# Altium PCB AIR_MOUNT23.PcbDoc (part 2 of 4)
Units mm, origin at the board's own origin, x right, y up, seen from the top; angles counter-clockwise.
Board outline 149.5 x 178 mm, 4 copper layers (Top Layer, Layer 1, Layer 2, Bottom Layer), stack 1.741 mm thick; 443 components, 337 nets, 1578 pads, 464 vias.
Unrouted connection lines stored in the file: 63.
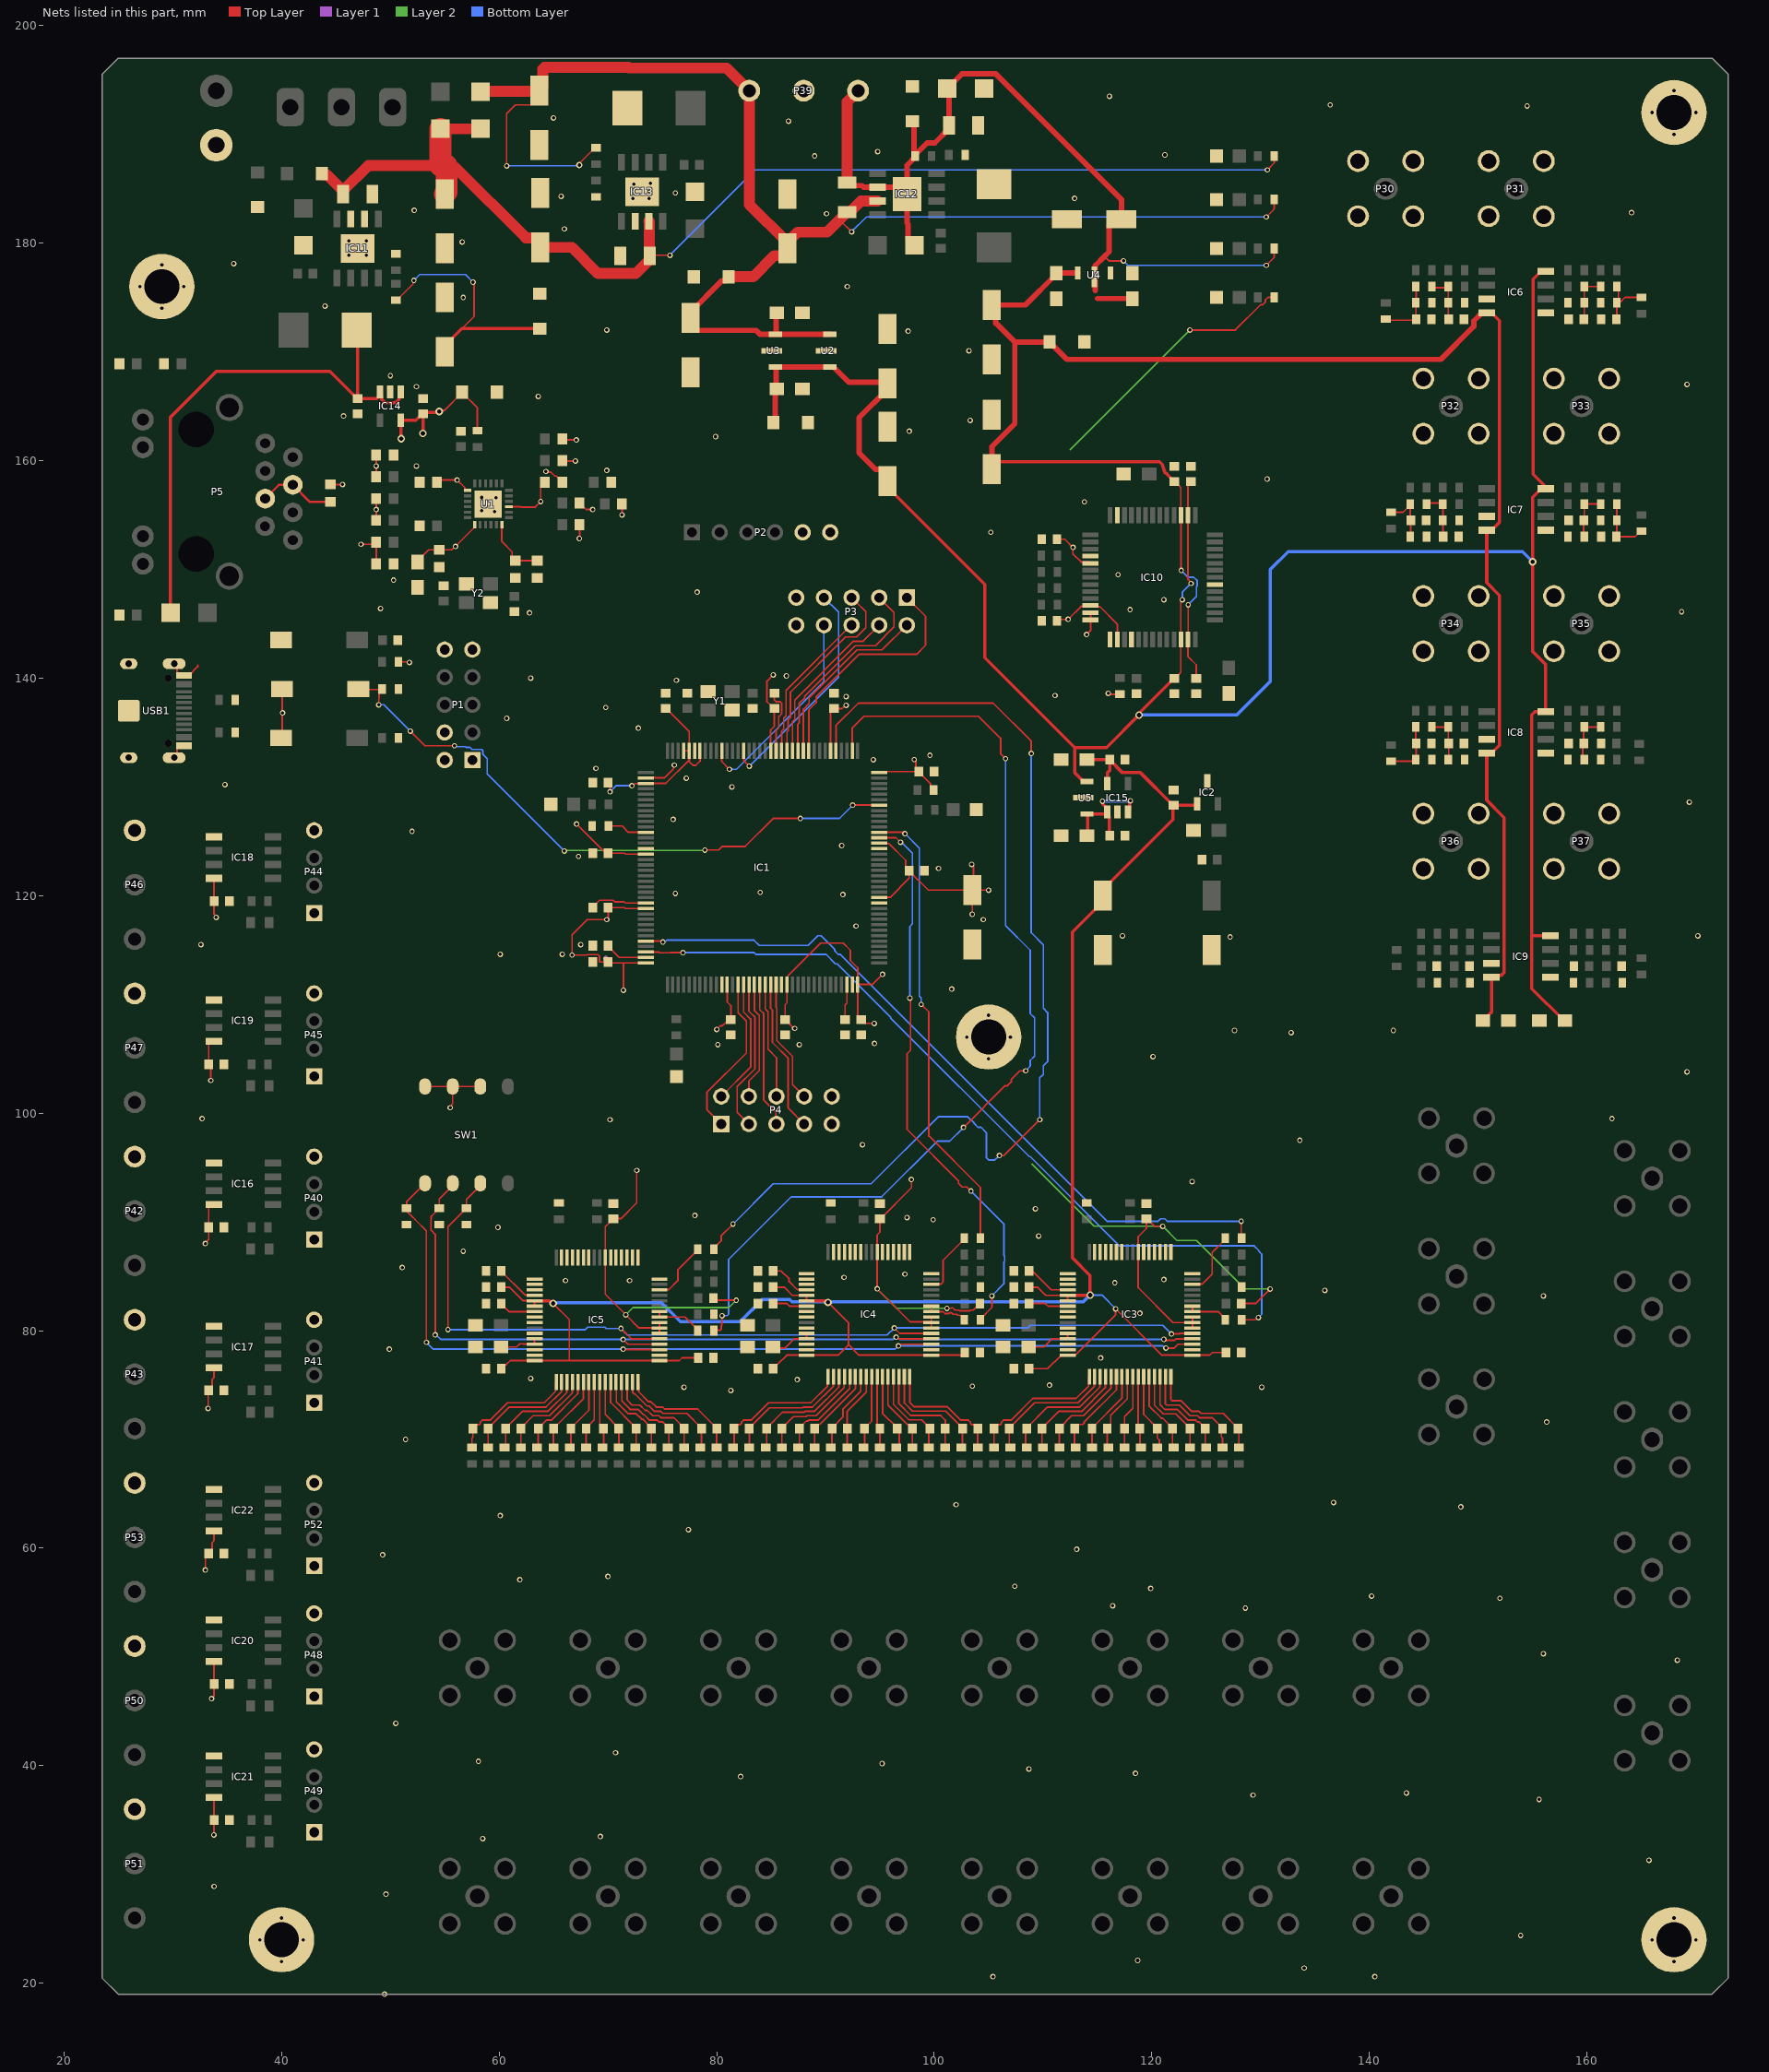
[diagram p4: the nets of this part, all layers, seen from the top]

## Via types
v1: diameter 0.5, hole 0.3, Top Layer to Bottom Layer, tented both sides, 452 vias
v2: diameter 0.7, hole 0.4, Top Layer to Bottom Layer, 8 vias
v3: diameter 0.6, hole 0.3, Top Layer to Bottom Layer, tented both sides, 2 vias
v4: diameter 0.66, hole 0.33, Top Layer to Bottom Layer, 2 vias

## Nets (pads, with @x,y where several pads share a name; then routed paths per layer and width w, separated by ;. In a path a pad name is that pad's centre, name@x,y a point inside that pad or via, vN(x,y) a via of type N, cw(c..) or ccw(c..) an arc to the next point about the centre after c; other vN are vias at no path point)
3V3: C1.2 C2.2 C3.2 C4.2 C5.2 C6.2 C7.2 C8.2 C9.2 C15.2 C17.2 C18.2 C19.2 C20.1 C22.2 C23.2 C47.2 C48.1 C66.2 C67.1 C80.1 C85.2 C86.1 C107.2 C108.2 C122.2 C123.2 C127.2 C133.2 C152.2 C153.2 C154.2 C155.2 C156.2 C157.2 C158.2 IC1.6 IC1.17 IC1.30 IC1.32 IC1.33 IC1.39 IC1.52 IC1.62 IC1.72 IC1.84 IC1.95 IC1.108 IC1.121 IC1.131 IC1.144 IC3.6 IC3.7 IC3.8 IC3.23 IC4.6 IC4.7 IC4.8 IC4.23 IC5.6 IC5.7 IC5.8 IC5.23 IC10.2 IC10.44 IC10.50 IC14.5 IC16.8 IC17.8 IC18.8 IC19.8 IC20.8 IC21.8 IC22.8 P1.1 P1.2 P2.6 P3.9 P4.9 P5.4 P5.5 P40.1 P41.1 P44.1 P45.1 P48.1 P49.1 P52.1 R2.2 R10.2 R30.2 R31.2 R32.1 R33.1 R34.1 R35.2 R36.2 R42.2 R43.1 R48.2 R162.2 R170.2 S1.1 S2.2 SW1.6 SW1.7 SW1.8 U1.1 U1.9 U1.19 Z2.1 | length 352.8
  Top Layer w0.15: v1(33,58) 33,59.2 C158.2@33.3,59.5 33.625,59.825 33.625,60.529 33.788,60.691 IC22.8@33.788,61.595 ; v1(33,88) 33,88.072 33.3,88.372 C152.2@33.3,89.5 33.3,91.345 33.55,91.595 IC16.8@33.788,91.595 ; v1(33.253,72.851) 33.253,74.453 C153.2@33.3,74.5 33.625,74.825 33.625,75.528 33.788,75.692 IC17.8@33.788,76.595 ; C155.2@33.3,104.5 C155.2@33.3,104.65 ; v1(33.5,103) 33.5,104.45 C155.2@33.3,104.65 ; v1(33.575,46.166) 33.8,46.39 C156.2@33.8,47.5 33.8,49.583 IC20.8@33.788,49.595 ; v1(33.784,33.641) 33.784,34.984 C157.2@33.8,35 33.8,37.083 IC21.8@33.788,37.095 ; IC19.8@33.788,106.595 33.55,106.595 33.3,106.345 C155.2@33.3,104.65 ; IC18.8@33.788,121.595 33.788,119.512 C154.2@33.8,119.5 33.8,118.295 34,118.095 v1(34,118) ; S1.1@39.944,134.5 40.056,134.612 S2.2@40.056,139 ; v1(47.3,152.3) 48.5,152.3 R35.2@48.7,152.5 C15.2@48.7,150.5 ; R30.2@48.7,154.5 R36.2@48.7,156.5 ; R31.2@48.7,158.5 C23.2@48.7,160.5 ; R2.2@50.75,141.5 51.5,141.5 51.564,141.436 v1(51.748,141.436) ; C20.1@52.5,150.675 52.5,150.775 53.525,151.8 55.628,151.8 55.928,152.1 v1(56,152.1) 56,152.145 57.75,153.895 U1.1@57.75,154.1 ; SW1.8@53.19,102.45 SW1.7@55.73,102.45 ; C22.2@54.3,158 54.505,158.205 v1(56.145,158.205) 56.848,157.502 56.848,157.315 56.913,157.25 U1.19@57.1,157.25 ; v2(54.5,164.5) 54.605,164.605 54.955,164.605 Z2.1@56.6,166.25 ; v1(55.5,100.5) 55.5,100.595 55.73,100.825 SW1.7@55.73,102.45 ; Z2.1@56.6,166.3 Z2.1@56.6,166.25 ; R48.2@58,162.75 58,164.85 Z2.1@56.6,166.25 ; SW1.6@58.27,102.45 SW1.7@55.73,102.45 ; U1.9@60.9,155.75 61.978,155.75 62.003,155.725 63.325,155.725 v1(63.825,156.225) 63.825,157.625 C17.2@64.2,158 ; R42.2@65.8,160 65.844,159.956 v1(67.011,159.956) ; R43.1@65.8,162 65.9,161.9 v1(67.1,161.9) ; v1(67.118,126.587) 69.805,123.9 C9.2@70,123.9 71.529,123.9 71.61,123.819 IC1.52@73.477,123.819 ; v1(67.375,152.831) 67.4,152.856 R33.1@67.4,154.1 ; R32.1@67.4,156.1 67.4,156.05 67.775,155.675 67.825,155.675 68,155.5 v1(68.6,155.5) ; C8.2@70,130.4 70.2,130.2 v1(70.2,129.55) ; v1(71.3,155) R34.1@71.3,156 ; v1(71.429,111.304) 71.437,111.312 71.437,113.819 ; v1(72.2,130.1) 72.295,130.1 72.489,130.294 73.452,130.294 IC1.39@73.477,130.319 75.324,130.319 77.44,132.435 77.44,133.282 IC1.32@77.465,133.307 ; v1(72.65,94.734) 72.65,91.75 71.2,90.3 C85.2@70.5,90.3 70.45,90.3 70.125,89.975 70.125,89.925 69.75,89.55 IC5.23@69.75,86.738 69.75,83.35 v1(71.644,81.456) 72.85,80.25 IC5.7@74.738,80.25 ; IC1.72@73.477,113.819 71.437,113.819 ; IC1.62@73.477,118.819 71.61,118.819 71.529,118.9 C6.2@70,118.9 70.032,118.868 70.032,118.027 69.9,117.895 v1(69.9,117.8) 68.1,117.8 66.702,116.402 v1(66.702,114.53) 68.062,114.53 68.107,114.575 69.093,114.575 69.225,114.443 69.225,113.9 C7.2@70,113.9 70.081,113.819 71.437,113.819 ; IC5.6@74.738,79.75 IC5.7@74.738,80.25 ; IC5.8@74.738,80.75 IC5.7@74.738,80.25 ; C5.2@75.3,137.2 75.35,137.2 77.465,135.085 IC1.32@77.465,133.307 ; IC1.33@76.965,133.307 IC1.32@77.465,133.307 ; IC1.30@78.465,133.307 78.465,132.362 78.086,131.983 77.817,131.983 77.49,132.31 77.49,133.282 IC1.32@77.465,133.307 ; C86.1@79.7,83 79.9,82.8 v1(81.8,82.8) ; v1(80,107.7) 80.005,107.7 80.338,108.033 80.533,108.033 80.9,108.4 81.1,108.4 C4.2@81.3,108.6 81.3,109.892 80.965,110.227 IC1.84@80.965,111.831 ; IC1.17@84.965,133.307 84.965,135.242 85.3,135.577 C122.2@85.3,137.2 85.25,137.2 84.625,137.825 84.625,139.725 v1(85.2,140.3) ; v1(87.166,107.795) 87.105,107.795 C1.2@86.3,108.6 86.3,109.977 86.465,110.142 IC1.95@86.465,111.831 86.54,111.906 86.54,112.612 89.567,115.639 91.625,115.639 92.289,114.975 92.289,114.035 92.965,113.359 IC1.108@92.965,111.831 ; IC1.6@90.465,133.307 90.465,136.875 C123.2@90.79,137.2 ; C123.2@90.8,137.2 91.528,137.2 91.828,137.5 v1(91.9,137.5) ; v1(94.479,108.25) 93.65,108.25 C2.2@93.3,108.6 93.29,108.6 92.965,108.925 IC1.108@92.965,111.831 ; IC1.121@94.953,119.819 95.181,119.819 95.2,119.8 95.244,119.844 95.944,119.844 97.7,121.6 C3.2@97.7,122.25 ; IC1.131@94.953,124.819 94.978,124.794 95.825,124.794 97.375,123.244 97.375,122.625 C3.2@97.7,122.3 C3.2@97.7,122.25 ; IC1.144@94.953,131.319 95.54,131.319 95.622,131.4 C127.2@98.6,131.4 ; v1(95.25,112.765) 94.316,111.831 IC1.108@92.965,111.831 ; v1(97.9,93.9) 97.9,93.15 95.05,90.3 C66.2@95,90.3 95,89.05 94.75,88.8 IC4.23@94.75,87.238 v1(94.75,83.85) 97.8,80.8 99.688,80.8 IC4.7@99.738,80.75 ; v1(98.163,132.508) 98.3,132.372 98.3,131.7 C127.2@98.6,131.4 ; IC4.6@99.738,80.25 IC4.7@99.738,80.75 ; IC4.8@99.738,81.25 IC4.7@99.738,80.75 ; R10.2@99.95,129.7 99.675,129.975 99.675,130.275 98.6,131.35 C127.2@98.6,131.4 ; v1(101.174,82.053) 101.553,82.053 101.6,82.1 101.7,82.1 101.9,81.9 102.232,81.9 102.307,81.825 103.293,81.825 103.368,81.9 103.6,81.9 C67.1@104.2,82.5 ; v1(103.438,122.879) 103.6,122.716 103.6,120.6 C80.1@103.5,120.5 ; v1(103.49,118.284) 103.5,118.294 C80.1@103.5,120.5 ; v1(105,120.5) C80.1@103.5,120.5 ; C108.2@111.279,145.264 111.414,145.4 v1(112.3,145.4) 113.49,146.59 114.28,146.59 114.29,146.6 IC10.50@114.364,146.674 114.483,146.554 115.235,146.554 116.827,144.962 IC10.2@116.827,143.549 ; C107.2@111.279,152.764 112.004,152.764 v1(112.748,152.02) 112.748,151.424 113.492,150.679 114.244,150.679 IC10.44@114.364,150.56 ; v1(116,138.6) 116.086,138.514 R162.2@117.079,138.514 ; v1(121,89.6) 120.25,89.6 119.55,90.3 C47.2@119.5,90.3 119.5,89.4 118.75,88.65 IC3.23@118.75,87.238 118.75,83.95 121.95,80.75 IC3.7@123.738,80.75 ; v1(123.5,172) 127.675,172 130,174.325 130.193,174.325 130.434,174.566 130.434,174.759 130.675,175 R170.2@131.25,175 ; IC3.6@123.738,80.25 IC3.7@123.738,80.75 ; IC3.8@123.738,81.25 IC3.7@123.738,80.75 ; C48.1@128.2,82.5 129.537,82.5 v1(130.874,83.837) ; C3.2@97.7,122.25 99.45,120.5 C80.1@103.5,120.5
  Top Layer w0.22: P5.5@38.5,156.5 39.77,157.77 P5.4@41.04,157.77 42.61,156.2 C19.2@44.5,156.2
  Top Layer w0.3: v2(51,162) 50.975,162.025 50.975,163.675 IC14.5@50.95,163.7 52.35,163.7 C133.2@52.95,164.3 ; v2(53,162.5) C133.2@53,164.3 53.123,164.423 54.423,164.423 v2(54.5,164.5)
  Layer 2 w0.15: v1(71.644,81.456) 72.316,82.128 81.128,82.128 v1(81.8,82.8) ; v1(94.75,83.85) 96.547,82.053 v1(101.174,82.053) ; 109,95.3 114.7,89.6 v1(121,89.6) 122.3,88.3 124.1,88.3 128.563,83.837 v1(130.874,83.837) ; 112.5,161 v1(123.5,172)
  Bottom Layer w0.15: v1(70.2,129.55) 70.75,130.1 v1(72.2,130.1)
  other v1: 40.1,136.8 48.7,155.5 48.7,159.5
5V: C120.1 C130.2 D1.2 IC14.1 IC14.3 L1.2 R163.2 Z1.1 | length 75.4
  Top Layer w0.14: R163.2@50.5,174.75 50.6,174.75 52.131,176.281 v1@52.131,176.531 ; C120.1@55,170 55,170.55 57.7,173.25 57.7,176.4 v1(57.603,176.4)
  Top Layer w0.3: D1.2@29.8,146 29.8,164 34,168.2 44.45,168.2 46.95,165.7 C130.2@47,165.7 ; L1.2@46.9,172 47,171.9 C130.2@47,165.7 ; IC14.3@49.05,166.3 IC14.3@49.05,166 ; IC14.1@50.95,166.3 50.8,166.15 50.8,165.634 50.466,165.3 49.534,165.3 49.2,165.634 49.2,165.85 IC14.3@49.05,166 ; C120.1@55,170.55 56.58,172.13 Z1.1@63.754,172.13 ; C130.2@47,165.7 48.75,165.7 IC14.3@49.05,166
  Bottom Layer w0.14: v1@52.131,176.531 52.2,176.6 52.7,177.1 56.903,177.1 v1(57.603,176.4)
  other v1: 52.166,176.566
15V: C121.1 C124.1 C129.1 C142.1 C148.1 D7.1 IC12.7 L3.2 P39.3 R167.2 R171.2 U2.3 U3.3 Z5.1 | length 141.4
  Top Layer w0.14: v1(60.7,187.1) 60.7,191.9 61.495,192.695 62.945,192.695 63.7,193.45 C129.1@63.7,194 ; v3(67.369,187.169) 67.369,187.319 68.8,188.75 R167.2@68.9,188.75
  Top Layer w0.15: 91.35,182.2 91.35,182.083 v1(92.401,181.032) ; v1(130.523,182.403) 131.25,183.13 R171.2@131.25,184
  Top Layer w0.5: Z5.1@81.1,176.9 81.1,176.85 80.79,176.54 80.49,176.54 77.6,173.65 C148.1@77.6,173.1 77.6,172.55 78.175,171.975 83.625,171.975 84,171.6 U3.3@85.4,171.6 U3.3@85.462,171.6 ; C142.1@85.525,173.6 85.462,173.537 U3.3@85.462,171.6 ; U2.3@90.4,171.6 U3.3@85.462,171.6
  Top Layer w1: D7.1@58.3,193.9 58.35,193.95 63.65,193.95 C129.1@63.7,194 64.025,194.325 64.025,196.009 64.166,196.15 71.875,196.15 71.925,196.1 80.9,196.1 P39.3@83,194 83,183.55 C124.1@86.5,180.05 ; Z5.1@81.1,176.9 83.35,176.9 85.291,178.841 86.175,178.841 86.5,179.166 C124.1@86.5,179.5 C124.1@86.5,180.05 ; IC12.7@94.788,183.865 93.275,183.865 92.35,182.94 92.35,182.9 92.3,182.85 C121.1@92,182.85 91.35,182.2 90.15,181 87.45,181 C124.1@86.5,180.05
  Bottom Layer w0.14: v1(60.7,187.1) 67.3,187.1 v3(67.369,187.169)
  Bottom Layer w0.15: v1(92.401,181.032) 93.771,182.403 v1(130.523,182.403)
24V: C125.1 C126.1 C131.1 C132.1 D4.2 D7.2 IC11.7 IC13.7 R169.2 Z7.1 | length 112.2
  Top Layer w0.15: C132.1@73.85,178.5 74.225,178.875 v1(75.7,178.875) ; v1(130.625,186.725) 131.25,187.35 R169.2@131.25,188
  Top Layer w1: Z7.1@43.7,186.4 43.7,186.35 43.76,186.29 44.16,186.29 C126.1@45.65,184.8 ; C126.1@45.65,184.5 C126.1@45.65,184.8 ; D4.2@54.6,190.5 D7.2@58.3,190.5 ; 55,185.925 56,186.925 62.45,180.475 63.475,180.475 63.8,180.15 C131.1@63.8,179.6 66.7,179.6 69.1,177.2 72.55,177.2 C132.1@73.85,178.5 ; 55.175,187.125 54.6,187.125 47.975,187.125 C126.1@45.65,184.8 ; IC13.7@73.77,182 73.81,181.96 C132.1@73.81,178.84
  Top Layer w2: 54.6,187.125 D4.2@54.6,190.5 ; C125.1@55,184.5 55.175,184.675 55.175,185.925 55.175,187.125
  Bottom Layer w0.15: v1(75.7,178.875) 83.55,186.725 v1(130.625,186.725)
-15V: C61.1 C121.2 C124.2 C149.2 C151.2 D3.1 D5.1 IC12.6 IC12.9 P39.1 R166.1 R172.2 U4.2 Z8.2 | length 85.8
  Top Layer w0.15: 115.637,178.763 116.04,178.359 v1(117.401,178.359) ; v1(130.525,177.95) 131.25,178.675 R172.2@131.25,179.5
  Top Layer w0.5: C121.2@92.27,185.28 93.35,185.28 93.495,185.135 IC12.6@94.788,185.135 96.865,185.135 IC12.9@97.5,184.5 ; Z8.2@98,191.2 98.15,191.05 98.15,188.1 R166.1@98.25,188 ; D3.1@98.2,179.8 97.6,180.4 97.6,181.75 97.5,181.85 IC12.9@97.5,184.5 ; 114.8,175.65 114.8,177.925 115.637,178.763 116.075,179.2 116.075,181.625 116.65,182.2 C151.2@117.2,182.2 117.2,184.007 105.657,195.55 102.55,195.55 D5.1@101.2,194.2 101.35,194.05 C61.1@101.35,190.8 101.35,190.5 100.05,189.2 99.35,189.2 98.25,188.1 R166.1@98.25,188 ; 115,174.9 118.175,174.9 C149.2@118.2,174.875 ; IC12.9@97.5,184.5 97.5,187.15 98.25,187.9 R166.1@98.25,188
  Top Layer w1: C121.2@92,185.55 92,193 P39.1@93,194
  Bottom Layer w0.15: v1(117.401,178.359) 117.81,177.95 v1(130.525,177.95)
A5V: C28.2 C44.2 C45.2 C46.2 C63.2 C64.2 C65.2 C82.2 C83.2 C84.2 C103.1 C140.1 C141.2 IC2.1 IC3.1 IC3.37 IC3.38 IC3.48 IC4.1 IC4.37 IC4.38 IC4.48 IC5.1 IC5.37 IC5.38 IC5.48 IC15.5 | length 207
  Top Layer w0.15: C83.2@60.2,76.5 60.2,76.478 60.231,76.448 60.231,76.581 60.525,76.875 60.658,76.875 61.033,77.25 IC5.48@63.262,77.25 66.45,77.25 ; C82.2@60.2,84 60.95,84 62.199,82.75 IC5.37@63.262,82.75 ; IC5.38@63.262,82.25 IC5.37@63.262,82.75 ; v2(64.975,82.5) 66.45,81.025 66.45,77.25 ; C84.2@78.3,77.5 76.813,77.5 76.563,77.25 IC5.1@74.738,77.25 66.45,77.25 ; C65.2@85.2,76.5 85.2,76.55 85.525,76.875 85.575,76.875 86.45,77.75 IC4.48@88.262,77.75 91.175,77.75 92.125,78.7 ; C63.2@85.2,84 86.2,84 86.95,83.25 IC4.37@88.262,83.25 IC4.38@88.262,82.75 ; v2(90.225,82.6) 92.125,80.7 92.125,78.7 ; C64.2@102.8,78 102.55,77.75 IC4.1@99.738,77.75 93.075,77.75 92.125,78.7 ; C46.2@108.7,76.5 110.424,76.5 111.674,77.75 IC3.48@112.262,77.75 112.337,77.825 113.043,77.825 116.675,81.457 v1(116.675,82) 120.925,77.75 IC3.1@123.738,77.75 125.313,77.75 125.563,78 C45.2@126.8,78 ; C44.2@108.7,84 109.487,84 110.237,83.25 IC3.37@112.262,83.25 IC3.38@112.262,82.75
  Top Layer w0.3: IC5.37@63.262,82.75 64.617,82.75 64.867,82.5 v2(64.975,82.5) ; IC4.38@88.262,82.75 89.967,82.75 90.117,82.6 v2(90.225,82.6) ; IC3.37@112.262,83.25 114.3,83.25 v2(114.325,83.275) 114.325,85.073 112.7,86.698 112.7,116.65 115.5,119.45 C103.1@115.5,120 115.5,120.55 121.95,127 C28.2@121.95,128.3 ; C140.1@114.025,132.5 C141.2@116.15,132.5 C141.2@116.15,132.45 ; IC15.5@115.9,130.3 115.925,130.325 115.925,131.3 116.15,131.525 C141.2@116.15,132.45 ; IC2.1@124.158,128.439 124.019,128.3 C28.2@122,128.3 C28.2@121.95,128.3 ; C141.2@116.15,132.45 117.3,131.3 118.95,131.3 C28.2@121.95,128.3
  Bottom Layer w0.15: v2(114.325,83.275) 115.4,83.275 v1(116.675,82)
  Bottom Layer w0.3: v2(64.975,82.5) 65.05,82.575 74.912,82.575 76.662,80.825 82.162,80.825 84.187,82.851 86.724,82.851 86.925,82.65 113.7,82.65 114.25,83.2 114.325,83.2 v2(114.325,83.275)
A6V: C138.1 C139.2 IC15.1 IC15.3 U5.1 | length 11.4
  Top Layer w0.3: C138.1@114.025,125.5 114.1,125.5 114.1,127.45 U5.1@114.05,127.5 115.75,127.5 IC15.1@115.9,127.65 ; v1(115.456,128.673) 115.494,128.635 115.494,128.406 115.9,128 IC15.1@115.9,127.7 IC15.1@115.9,127.65 ; C139.2@116.15,125.5 116.15,125.45 116.1,125.4 116.1,127.2 115.9,127.4 IC15.1@115.9,127.65 ; IC15.3@117.8,127.7 117.95,127.85 117.95,128.598 118.025,128.673 v1(118.025,128.727)
  Bottom Layer w0.3: v1(115.456,128.673) 117.971,128.673 v1(118.025,128.727)
A+12: C38.1 C57.1 C113.2 C114.2 C134.1 C136.1 IC6.8 IC7.8 IC8.8 IC9.8 IC10.11 IC10.28 U2.1 U3.1 U5.3 Z3.1 | length 218
  Top Layer w0.15: C113.2@122.079,139.964 122.129,139.964 122.669,140.505 IC10.11@122.669,143.549 122.669,146.975 122.8,147.105 v1(122.8,147.2) ; C114.2@123.579,158.064 123.33,157.816 IC10.28@123.33,154.979 123.33,149.065 123.6,148.795 v1(123.6,148.7)
  Top Layer w0.3: C57.1@95.7,158.1 95.7,157.55 104.638,148.612 104.638,141.862 112.9,133.6 ; U5.3@114.05,130.5 113.7,130.5 112.9,131.3 112.9,133.6 ; C113.2@122.079,139.964 122.029,139.964 118.902,136.837 118.902,136.677 115.825,133.6 112.9,133.6 ; IC6.8@156.212,177.405 155.775,177.405 155.05,176.68 155.05,158.75 156.1,157.7 156.1,157.517 155.887,157.517 155,156.63 155,142.447 156.212,141.235 IC8.8@156.212,136.905 155.211,136.905 154.933,136.628 154.933,116.4 ; IC9.8@156.646,116.321 156.221,116.321 156.2,116.3 155.033,116.3 154.933,116.4 ; C38.1@157.875,108.5 154.933,111.442 154.933,116.4
  Top Layer w0.5: Z3.1@85.2,163.5 85.363,163.662 85.363,166.562 85.462,166.662 U3.1@85.462,168.6 ; U3.1@85.4,168.6 U3.1@85.462,168.6 ; C57.1@95.7,158.1 95.7,158.604 95.125,159.179 94.621,159.179 93.1,160.7 93.1,163.95 95.7,166.55 C136.1@95.7,167.1 95.7,167.2 92.15,167.2 90.75,168.6 U2.1@90.4,168.6 U3.1@85.462,168.6
  Bottom Layer w0.15: v1(122.8,147.2) 122.8,147.9 v1(123.6,148.7)
  Bottom Layer w0.3: v2(118.825,136.6) 127.8,136.6 130.887,139.687 130.887,149.987 132.524,151.624 154.076,151.624 v2(155,150.7)
A-12: C42.2 C115.1 C116.1 C144.2 C145.2 C146.2 IC6.4 IC7.4 IC8.4 IC9.4 IC10.12 IC10.29 U4.3 Z4.2 | length 179.5
  Top Layer w0.15: C115.1@122.399,157.794 122.669,157.524 IC10.29@122.669,154.979 122.685,154.964 122.685,149.915 v1(122.7,149.9) ; v1(123.336,146.74) 123.333,146.737 123.333,143.553 IC10.12@123.33,143.549 123.33,141.963 124.079,141.214 C116.1@124.079,139.964
  Top Layer w0.3: C145.2@105.3,159.225 105.975,159.9 120.7,159.9 120.93,159.67 120.981,159.619 121.175,158.943 121.225,158.901 cw(c119.406,156.715) 121.239,158.89 cw(c119.406,156.715) 121.425,158.718 C115.1@122.079,158.064 ; C42.2@150.425,108.5 150.525,108.5 150.95,108.925 150.95,109.025 151.222,109.297 IC9.4@151.222,112.511 151.397,112.686 152.139,112.686 152.384,112.931 152.384,127.175 150.788,128.772 IC8.4@150.788,133.095 151.225,133.095 151.95,133.82 151.95,147.609 150.788,148.772 IC7.4@150.788,153.595 151.225,153.595 151.95,154.32 151.95,172.87 151.225,173.595 IC6.4@150.788,173.595
  Top Layer w0.5: C145.2@105.3,159.2 105.3,161.293 107.4,163.393 107.4,170.9 ; U4.3@113.2,177.25 113.2,177.238 111.213,177.238 C146.2@111.2,177.225 111.2,177.125 108.375,174.3 C144.2@105.3,174.3 105.655,173.945 105.655,172.645 107.4,170.9 ; IC6.4@150.788,173.595 150.35,173.595 149.6,172.845 149.6,172.343 146.557,169.3 112.2,169.3 110.96,170.54 110.91,170.54 110.6,170.85 Z4.2@110.6,170.9 107.4,170.9
  Bottom Layer w0.15: v1(122.7,149.9) 123.343,149.257 123.362,149.275 123.838,149.275 124.175,148.938 124.175,148.462 124.1,148.387 124.1,147.504 v1(123.336,146.74)
ADC0_BUSY_2: IC1.68 R19.1 | length 68.1
  Top Layer w0.15: IC1.68@73.477,115.819 74.959,115.819 v1(75.053,115.725) ; v1(128.217,90.058) 128.217,88.533 R19.1@128.25,88.5
  Bottom Layer w0.15: v1(75.053,115.725) 75.243,115.725 75.424,115.907 83.424,115.907 83.906,115.425 88.425,115.425 89.317,116.317 89.587,116.317 90.853,115.051 90.853,114.926 91.19,114.589 91.365,114.589 115.896,90.058 120.586,90.058 120.803,90.275 121.197,90.275 121.414,90.058 v1(128.217,90.058)
ADC0_CVST_2: IC1.70 R20.1 | length 75.8
  Top Layer w0.15: IC1.70@73.477,114.819 74.675,114.819 74.744,114.75 75.738,114.75 75.745,114.757 v1(76.9,114.757) ; R20.1@128.25,81 129.505,81 129.705,81.2 v1(129.8,81.2)
  Bottom Layer w0.15: v1(76.9,114.757) 83.443,114.757 83.605,114.595 90.053,114.595 90.916,113.732 91.081,113.732 96,108.813 96,108.734 108.734,96 108.822,96 117.022,87.8 129.413,87.8 129.83,87.383 129.83,87.304 130.1,87.034 130.1,81.5 v1(129.8,81.2)
ADC1_BUSY_2: IC1.133 R16.1 | length 42.5
  Top Layer w0.15: IC1.133@94.953,125.819 97.086,125.819 97.205,125.7 v1(97.3,125.7) ; v1(98.8,110) 99.5,109.3 99.5,97.9 104.25,93.15 R16.1@104.25,88.5
  Bottom Layer w0.15: v1(97.3,125.7) 98.625,124.375 98.625,110.762 98.8,110.587 v1(98.8,110)
ADC1_CVST_2: IC1.132 R18.1 | length 51.8
  Top Layer w0.15: IC1.132@94.953,125.319 96.486,125.319 v1(96.893,124.912) ; v1(97.758,110.574) 97.825,110.507 97.825,105.778 97.5,105.453 97.5,98.5 102.233,93.767 102.233,93.54 102.57,93.203 103.009,93.203 v1(103.377,92.835) ; R18.1@104.25,81 104.25,81.1 105.3,82.15 v1(105.3,83.2)
  Bottom Layer w0.15: v1@96.805,125 96.9,125 96.94,124.96 98,123.9 98,117.405 97.758,117.163 v1(97.758,110.574) ; v1(103.377,92.835) 106.4,89.812 106.4,86.913 106.475,86.838 106.475,86.362 106.4,86.287 106.4,84.3 v1(105.3,83.2)
ADC2_BUSY_2: IC1.5 R27.1 | length 98.1
  Top Layer w0.15: R27.1@79.75,87.5 79.75,87.6 80.415,88.265 80.415,88.715 v1(81.5,89.8) ; IC1.5@90.965,133.307 90.965,135.628 93.037,137.7 105.4,137.7 108.913,134.187 v1(108.913,133.075) ; v1(105.987,96.1) 106.4,96.1 v1(109.7,99.4)